# KiCad board PingDevKit-copy.kicad_pcb (continued)
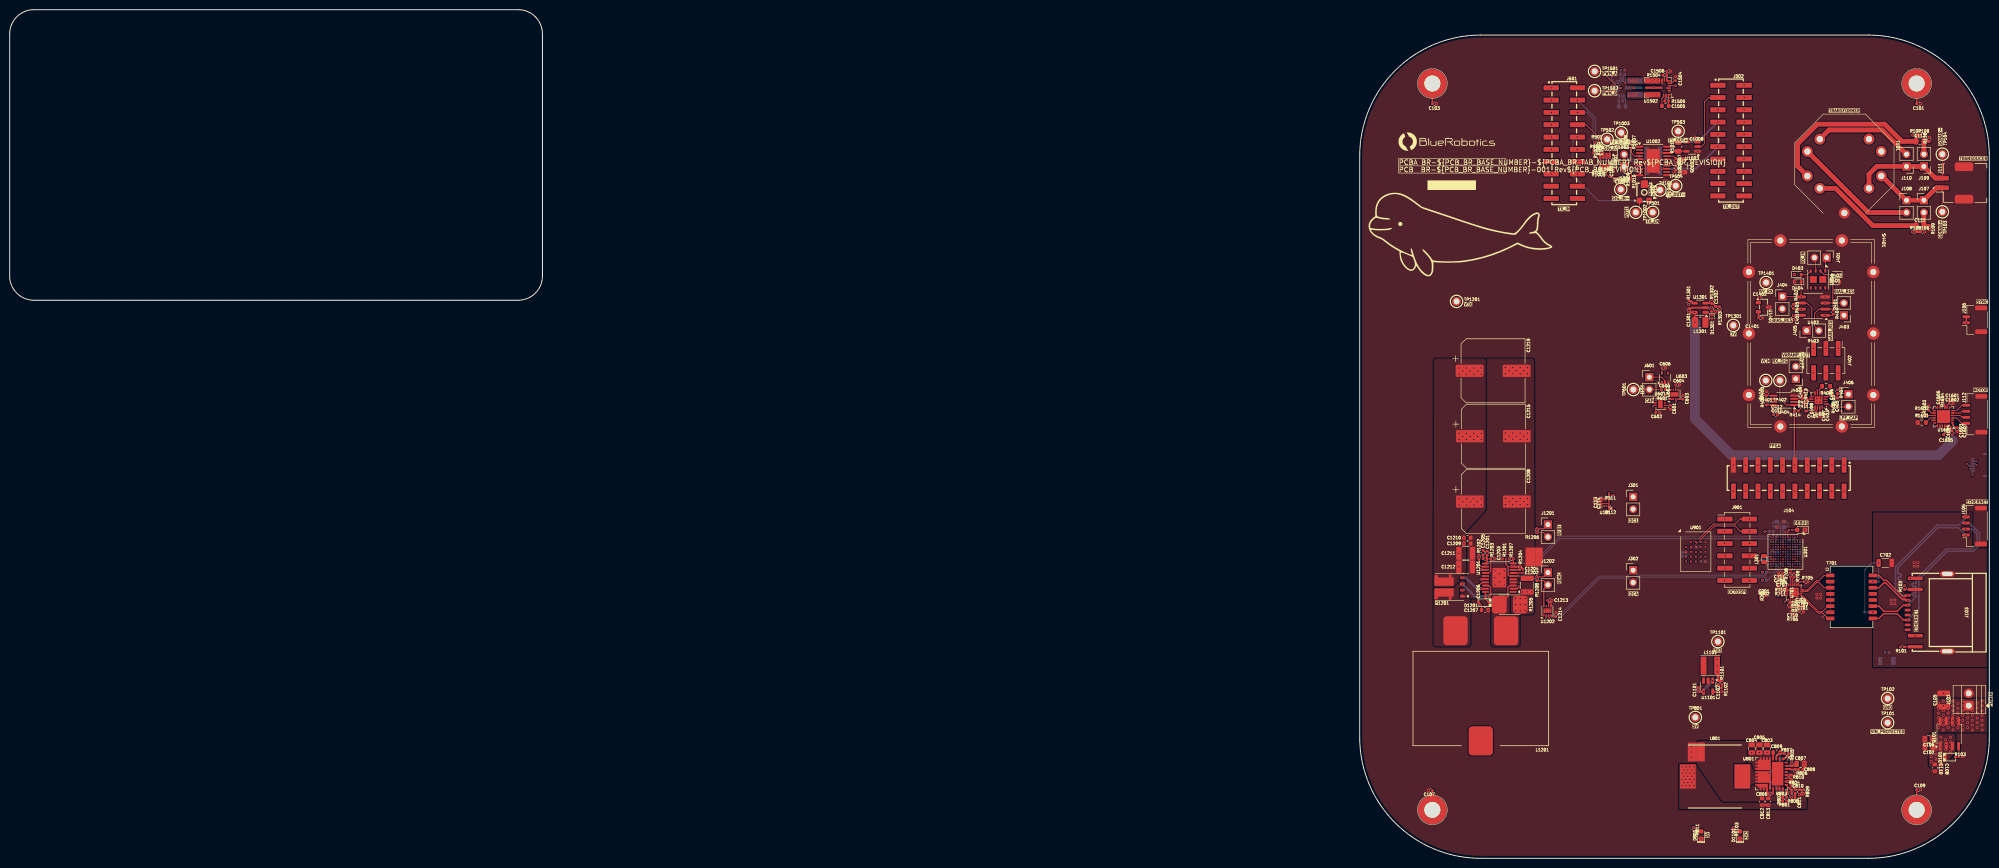
[diagram p0: board, top side]
## Library data of the parts (continued)
H101-H104 = -: Description: M3_Clearance_Plated; ki_fp_filters: *NTC* *Thermistor* PIN?ARRAY* bornier* *Terminal?Block* R_*
J101 = -: Datasheet: https://www.lcsc.com/datasheet/C474920.pdf; Description: 1x2P 8A 130V 2.54mm Screw Terminal Through Hole; Manufacturer: Cixi Kefa Elec; Manufacturer Part Num: KF128-2.54-2P; BRE Number: BRE-001271; JLCPCB Part Num: C474920; ki_fp_filters: TerminalBlock*:*
J102 = -: Datasheet: https://www.te.com/usa-en/product-2328702-6.datasheet.pdf; Description: FPC Connector, Vertical, 0.5mm pitch, 6-pos; Manufacturer: TE Connectivity AMP Connectors; Manufacturer Part Num: 2328702-6; BRE Number: BRE-000078; Supplier 1: DigiKey; Supplier Part Num 1: A141388CT-ND; Supplier 2: Mouser; Supplier Part Num 2: 571-2328702-6; Supplier 3: JLCPCB; Supplier Part Num 3: C3151647; Label: LABEL; JLCPCB Part Num: C3151647; ki_fp_filters: Connector*:*_1x??_*
J103 = -: Datasheet: https://www.lcsc.com/datasheet/lcsc_datasheet_2007281106_RCH-RC01812_C708645.pdf; Description: RJ45 Receptacle Connector, Low-Profile, with LEDs, No Magnetics SMD+PTH; Manufacturer: RCH; Manufacturer Part Num: RC01812; Supplier 1: Digikey; Supplier 2: Mouser; Supplier 3: JLCPCB; Supplier Part Num 3: C708645; BRE Number: BRE-000071
J104 J501 J502 = -: Datasheet: https://www.lcsc.com/datasheet/lcsc_datasheet_2411220452_INCP-IPCP254M20PB28S_C22438450.pdf; Description: Header Pin Connector 02x10 2.54mm_VERT_SMD; Manufacturer: INCP; Manufacturer Part Num: IPCP254M20PB28S; BRE Number: BRE-001120; JLCPCB Part Num: C6332235; ki_fp_filters: Connector*:*_2x??_*
J105 J112 = -: Datasheet: https://www.jst-mfg.com/product/pdf/eng/eGH.pdf; Description: JST-GH Connector 4-pos, P=1.25mm, 1A 50V 30mΩ, 26-30awg, Horizontal; Manufacturer: JST; Manufacturer Part Num: SM04B-GHS-TB; BRE Number: BRE-000102; Supplier 1: DigiKey; Supplier Part Num 1: 455-1566-1-ND; Supplier 3: JLCPCB; Supplier Part Num 3: C189895; Supplier 2: DigiKey; Supplier Part Num 2: 455-1566-2-ND; JLCPCB Part Num: C189895; ki_fp_filters: Connector*:*_1x??_*
J106 = -: Datasheet: https://www.jst-mfg.com/product/pdf/eng/eGH.pdf; Description: JST-GH Connector 2-pos, P=1.25mm, 1A 50V 30mΩ, 26-30awg, Horizontal; Manufacturer: JST; Manufacturer Part Num: SM02B-GHS-TB; BRE Number: BRE-000100; Supplier 1: DigiKey; Supplier Part Num 1: 455-1564-1-ND; Supplier 3: JLCPCB; Supplier Part Num 3: C189893; Supplier 2: DigiKey; Supplier Part Num 2: 455-1564-2-ND; JLCPCB Part Num: C189893; ki_fp_filters: Connector*:*_1x??_*
J107-J110 J301 J302 J401 J407 = -: Datasheet: https://lcsc.com/datasheet/lcsc_datasheet_2409302300_XFCN-PZ254V-11-02P_C492401.pdf; Description: Header Pin 2P 01x02P 2.54mm Pitch Vertical Through Hole 3A; Manufacturer: XFCN; Manufacturer Part Num: PZ254V-11-02P; BRE Number: BRE-001259; JLCPCB Part Num: C492401; ki_fp_filters: Connector*:*_1x??_*
J111 = -: Datasheet: https://www.jst-mfg.com/product/pdf/eng/ePA-F.pdf; Description: JST-PA Connector 2-pos, P=2mm, 3A 250V 10mΩ, 22-28awg, Horizontal; Manufacturer: JST; Manufacturer Part Num: SM02B-PASS-TBT; BRE Number: BRE-000105; Supplier 1: DigiKey; Supplier Part Num 1: 455-SM02B-PASS-TBTCT-ND; Supplier 3: JLCPCB; Supplier Part Num 3: C265417; Supplier 2: Mouser; Supplier Part Num 2: 306-SM02BPASSTBTLFSN; JLCPCB Part Num: C265417
J402 = -: Datasheet: https://jlcpcb.com/api/file/downloadByFileSystemAccessId/8603063697761841152; Description: Header Pin Connector 02x03 2.54mm (0.100") Vertical SMD; Manufacturer: INCP; Manufacturer Part Num: IPCP254M06PB28S; BRE Number: BRE-001285; Supplier 1: DigiKey; Supplier 2: Mouser; Supplier 3: JLCPCB; Supplier Part Num 3: C22438447; JLCPCB Part Num: C22438447
J403-J406 J601 J1001 J1201 J1202 = -: Datasheet: https://lcsc.com/datasheet/lcsc_datasheet_2409302203_XFCN-MF254V-11-02-0743_C2889984.pdf; Description: Header Socket 01x02 2.54mm Vertical PTH; Manufacturer: XFCN; Manufacturer Part Num: MF254V-11-02-0743; BRE Number: BRE-001260; JLCPCB Part Num: C2889984; ki_fp_filters: Connector*:*_1x??_*
J901 = -: Datasheet: https://jlcpcb.com/api/file/downloadByFileSystemAccessId/8589837965481979904; Description: Header Pin Connector 02x06 2.54mm Vertical SMD; Manufacturer: HCTL; Manufacturer Part Num: PZ254-2-06-S; BRE Number: BRE-001275; Supplier 1: DigiKey; Supplier 2: Mouser; Supplier 3: JLCPCB; Supplier Part Num 3: C3294464; JLCPCB Part Num: C3294464
L301 = -: Datasheet: https://www.lcsc.com/datasheet/lcsc_datasheet_2504101957_Linepri-LMSC20120652R2MTA_C46527037.pdf; Description: 2.2uH 20% 2.2Asat  2.4Adc 100mR Molded Power Inductor SMT 0805; Manufacturer: Linepri; Manufacturer Part Num: LMSC20120652R2MTA; BRE Number: BRE-001165; ki_fp_filters: Choke_* *Coil* Inductor_* L_*
L801 = -: Datasheet: https://jlcpcb.com/api/file/downloadByFileSystemAccessId/8590906446731567104; Description: 10uH 20% 10A 20.7mR  Shielded Molded Inductor SMT 13.5x12.6x6.3mm; Manufacturer: XR; Manufacturer Part Num: XR1265-100M; BRE Number: BRE-001232; JLCPCB Part Num: C5339467; ki_fp_filters: Choke_* *Coil* Inductor_* L_*
L1101 = -: Datasheet: https://mm.digikey.com/Volume0/opasdata/d220001/medias/docus/664/NRS4018T2R2MDGJV_SS.pdf; Description: 2.2µH 20% 2.2A 50.4mR Shielded Wirewound Inductor SMT 4x4x1.8mm; Manufacturer: Taiyo Yuden; Manufacturer Part Num: NRS4018T2R2MDGJV; Supplier 1: DigiKey; Supplier 2: DigiKey; Supplier 3: JLCPCB; Supplier Part Num 1: 587-3577-1-ND; Supplier Part Num 2: 587-3577-2-ND; Supplier Part Num 3: C2041550; BRE Number: BRE-000227; ki_fp_filters: Choke_* *Coil* Inductor_* L_*
L1201 = -: Datasheet: https://jlcpcb.com/api/file/downloadByFileSystemAccessId/8589838704283328512; Description: 10uH 20% 30A 2.6mR Flat Wire Inductor SMT 28x27.9x18mm; Manufacturer: FANGCHENG; Manufacturer Part Num: FC-SE2918-100M-28A; Supplier 1: DigiKey; Supplier Part Num 1: 118-SRP1050WA-220MTR-ND; Supplier 2: Mouser; Supplier Part Num 2: 652-SRP1050WA-220M; Supplier 3: JLCPCB; Supplier Part Num 3: C19947668; BRE Number: BRE-001279; JLCPCB Part Num: C3037600
L1301 = -: Datasheet: https://mm.digikey.com/Volume0/opasdata/d220001/medias/docus/5561/AWP%20Series.pdf; Description: 4.7uH 20% 1.6A 175mR Shielded Molded Inductor SMT 1008 package; Manufacturer: TAI-TECH Advanced Electronics Co., Ltd.; Manufacturer Part Num: AWP 252012FW-4R7M; BRE Number: BRE-000220; JLCPCB Part Num: C17225812; Supplier 1: DigiKey; Supplier Part Num 1: 4816-AWP252012FW-4R7MCT-ND; Supplier 2: DigiKey; Supplier Part Num 2: 4816-AWP252012FW-4R7MTR-ND; Supplier 3: JLCPCB; Supplier Part Num 3: C17225812; ki_fp_filters: Choke_* *Coil* Inductor_* L_*
NT801 NT1201 = -: Description: Net Tie
NT1101 NT1501 NT1601 = -: Description: Net Tie; ki_fp_filters: R_*
PCB101 = -: Description: An item representing the bare board in the PCBA; Manufacturer: Blue Robotics; Manufacturer Part Num: BR-103907-001-RevA
Q101 = -: Datasheet: https://www.diodes.com/assets/Datasheets/DMP6023LSS.pdf; Description: P-Ch MOSFET 60 V 6.6A (Ta) 1.2W (Ta) 25mR Logic Level SO-8; Manufacturer: Diodes Incorporated; Supplier 1: DigiKey; Supplier Part Num 1: DMP6023LSS-13DICT-ND; Supplier 2: Mouser; Supplier Part Num 2: 621-DMP6023LSS-13; Supplier 3: JLCPCB; Supplier Part Num 3: C154911; BRE Number: BRE-000414
Q1201 = -: Datasheet: https://www.vishay.com/docs/78092/sqj974ep.pdf; Description: 2N-Ch Power MOSFET Array 100V 30A (Tc) 48W (Tc) 32.5mR Logic Level PowerPAK SO-8; Manufacturer: Vishay Siliconix; Manufacturer Part Num: SQJ974EP-T1_GE3; Supplier 1: DigiKey; Supplier Part Num 1: SQJ974EP-T1_GE3CT-ND; Supplier 2: Mouser; Supplier Part Num 2: 78-SQJ974EP-T1_GE3; Supplier 3: JLCPCB; Supplier Part Num 3: C727845; BRE Number: BRE-000406
R101 R102 = -: Datasheet: https://www.yageo.com/upload/media/product/app/datasheet/rchip/pyu-rc_group_51_rohs_l.pdf; Description: 1k 1% 100ppm 62.5mW Thick Film Resistor 0402; Manufacturer: YAGEO; Manufacturer Part Num: RC0402FR-071KL; BRE Number: BRE-000311; Supplier 1: DigiKey; Supplier Part Num 1: 311-1.00KLRCT-ND; Supplier 2: DigiKey; Supplier Part Num 2: 311-1.00KLRTR-ND; Supplier 3: JLCPCB; Supplier Part Num 3: C106235; ki_fp_filters: R_*
R103 R201 = -: Datasheet: https://www.lcsc.com/datasheet/lcsc_datasheet_2304140030_YAGEO-RC0201FR-0747KL_C138139.pdf; Description: 47k 1% 200ppm 50mW Thick Film Resistor 0201; Manufacturer: YAGEO; Manufacturer Part Num: RC0201FR-0747KL; Supplier 1: DigiKey; Supplier Part Num 1: 311-47KMCT-ND; Supplier 2: Mouser; Supplier Part Num 2: 603-RC0201FR-0747KL; Supplier 3: JLCPCB; Supplier Part Num 3: C138139; BRE Number: BRE-000278; ki_fp_filters: R_*
R104 R111 R112 R302 R1102 = -: Datasheet: https://www.yageo.com/upload/media/product/products/datasheet/rchip/PYu-RC_Group_51_RoHS_L_12.pdf; Description: 10k 1% 200ppm 50mW Thick Film Resistor 0201; Manufacturer: YAGEO; Manufacturer Part Num: RC0201FR-0710KL; Supplier 1: DigiKey; Supplier Part Num 1: 311-10.0KMCT-ND; Supplier 2: Mouser; Supplier Part Num 2: 603-RC0201FR-0710KL; Supplier 3: JLCPCB; Supplier Part Num 3: C106225; BRE Number: BRE-000261; ki_fp_filters: R_*
R105-R110 R601 R803 = -: Datasheet: https://www.yageo.com/upload/media/product/productsearch/datasheet/rchip/PYu-RC_Group_51_RoHS_L_12.pdf; Description: 100k 1% 100ppm 62.5mW Thick Film Resistor 0402; Manufacturer: YAGEO; Manufacturer Part Num: RC0402FR-07100KL; BRE Number: BRE-000290; Supplier 1: DigiKey; Supplier Part Num 1: 311-100KLRCT-ND; Supplier 2: DigiKey; Supplier Part Num 2: 311-100KLRTR-ND; Supplier 3: JLCPCB; Supplier Part Num 3: C60491; JLCPCB Part Num: C60491; ki_fp_filters: R_*
R202 R303 = -: Datasheet: https://www.lcsc.com/datasheet/lcsc_datasheet_2304140030_YAGEO-RC0201FR-073KL_C142016.pdf; Description: 3k 1% 200ppm 50mW Chip Resistor 0201; Manufacturer: YAGEO; Manufacturer Part Num: RC0201FR-073KL; Supplier 1: DigiKey; Supplier Part Num 1: YAG2656CT-ND; Supplier 2: Mouser; Supplier Part Num 2: 603-RC0201FR-073KL; Supplier 3: JLCPCB; Supplier Part Num 3: C142016; BRE Number: BRE-000275; ki_fp_filters: R_*
R301 = -: Datasheet: https://www.yageo.com/upload/media/product/productsearch/datasheet/rchip/PYu-AC_51_RoHS_L_10.pdf; Description: 10R 1% 200ppm 62.5mW Thick Film Resistor 0402; Manufacturer: YAGEO; Manufacturer Part Num: AC0402FR-0710RL; Supplier 1: DigiKey; Supplier Part Num 1: YAG3438CT-ND; Supplier 2: Mouser; Supplier Part Num 2: 603-AC0402FR-0710RL; Supplier 3: JLCPCB; Supplier Part Num 3: C144805; BRE Number: BRE-000291; ki_fp_filters: R_*
R304 R305 R802 R1207 R1604 = -: Datasheet: https://www.yageo.com/upload/media/product/productsearch/datasheet/rchip/PYu-AC_51_RoHS_L_10.pdf; Description: 10k 1% 100ppm 62.5mW Thick Film Resistor 0402; Manufacturer: YAGEO; Manufacturer Part Num: AC0402FR-0710KL; BRE Number: BRE-000292; Supplier 1: DigiKey; Supplier Part Num 1: YAG3436CT-ND; Supplier 2: DigiKey; Supplier Part Num 2: YAG3436TR-ND; Supplier 3: JLCPCB; Supplier Part Num 3: C144807; JLCPCB Part Num: C144807; ki_fp_filters: R_*
R401-R403 = -: Datasheet: https://www.lcsc.com/datasheet/lcsc_datasheet_2411221126_UNI-ROYAL-Uniroyal-Elec-0201WMF1000TEE_C270366.pdf; Description: 100R 1% 200ppm 50mW Thick Film Resistor 0201; Manufacturer: UNI-ROYAL; Manufacturer Part Num: 0201WMF1000TEE; BRE Number: BRE-001045; JLCPCB Part Num: C270366; ki_fp_filters: R_*
R404 R405 = -: Datasheet: https://www.yageo.com/upload/media/product/productsearch/datasheet/rchip/PYu-RC_Group_51_RoHS_L_12.pdf; Description: 470R 1% 100ppm 62.5mW Thick Film Resistor 0402; Manufacturer: YAGEO; Manufacturer Part Num: RC0402FR-07470RL; BRE Number: BRE-000342; Supplier 1: DigiKey; Supplier Part Num 1: 311-470LRCT-ND; Supplier 2: DigiKey; Supplier Part Num 2: 311-470LRTR-ND; Supplier 3: JLCPCB; Supplier Part Num 3: C114877; JLCPCB Part Num: C114877; ki_fp_filters: R_*
R406 R407 R703 R704 = -: Datasheet: https://www.yageo.com/upload/media/product/productsearch/datasheet/rchip/PYu-RC_Group_51_RoHS_L_12.pdf; Description: 75R 1% 100ppm 62.5mW Thick Film Resistor 0402; Manufacturer: YAGEO; Manufacturer Part Num: RC0402FR-0775RL; BRE Number: BRE-000369; Supplier 1: DigiKey; Supplier Part Num 1: 311-75.0LRCT-ND; Supplier 2: DigiKey; Supplier Part Num 2: 311-75.0LRTR-ND; Supplier 3: JLCPCB; Supplier Part Num 3: C114757; JLCPCB Part Num: C114757; ki_fp_filters: R_*
R408 = -: Datasheet: https://www.koaspeer.com/pdfs/TLRZ.pdf; Description: 0 Ohms Jumper Chip Resistor 0603 (1608 Metric) Automotive AEC-Q200, Current Sense Metal Element; Manufacturer: KOA Speer Electronics, Inc.; Manufacturer Part Num: TLRZ1JTTD; BRE Number: BRE-001148; Supplier 1: JLCPCB; Supplier Part Num 1: C782253; Supplier 2: DigiKey; Supplier Part Num 2: 2019-TLRZ1JTTDTR-ND; Supplier 3: JLCPCB; Supplier Part Num 3: C203078; JLCPCB Part Num: C782253; Package: 0603
R409-R412 = -: Datasheet: https://www.yageo.com/upload/media/product/app/datasheet/rchip/pyu-rc_group_51_rohs_l.pdf; Description: 1k 1% 100ppm 62.5mW Thick Film Resistor 0402; Manufacturer: YAGEO; Manufacturer Part Num: RC0402FR-071KL; BRE Number: BRE-000311; Supplier 1: DigiKey; Supplier Part Num 1: 311-1.00KLRCT-ND; Supplier 2: DigiKey; Supplier Part Num 2: 311-1.00KLRTR-ND; Supplier 3: JLCPCB; Supplier Part Num 3: C106235; JLCPCB Part Num: C106235; ki_fp_filters: R_*
R413 R414 R502 = -: Datasheet: https://www.yageo.com/upload/media/product/app/datasheet/rchip/pyu-rc_group_51_rohs_l.pdf; Description: 2k 1% 100ppm 62.5mW Thick Film Resistor 0402; Manufacturer: YAGEO; Manufacturer Part Num: RC0402FR-072KL; BRE Number: BRE-000324; Supplier 1: DigiKey; Supplier Part Num 1: 311-2KLRCT-ND; Supplier 2: DigiKey; Supplier Part Num 2: 311-2KLRTR-ND; Supplier 3: JLCPCB; Supplier Part Num 3: C60488; JLCPCB Part Num: C60488; ki_fp_filters: R_*
R501 = -: Datasheet: https://jlcpcb.com/api/file/downloadByFileSystemAccessId/8589040499327963136; Description: 20k 1% 200ppm 50mW Thick Film Resistor 0201; Manufacturer: YAGEO; Manufacturer Part Num: RC0201FR-0720KL; BRE Number: BRE-001172; JLCPCB Part Num: C295787
R701 R702 R708-R711 = -: Datasheet: https://www.yageo.com/upload/media/product/productsearch/datasheet/rchip/PYu-RC_Group_51_RoHS_L_12.pdf; Description: 2.49k 1% 100ppm 62.5mW Thick Film Resistor 0402; Manufacturer: YAGEO; Manufacturer Part Num: RC0402FR-072K49L; BRE Number: BRE-000326; Supplier 1: DigiKey; Supplier Part Num 1: 311-2.49KLRCT-ND; Supplier 2: DigiKey; Supplier Part Num 2: 311-2.49KLRTR-ND; Supplier 3: JLCPCB; Supplier Part Num 3: C145071; JLCPCB Part Num: C145071; ki_fp_filters: R_*
R705 = -: Datasheet: https://www.yageo.com/upload/media/product/products/datasheet/rchip/PYu-RC_Group_51_RoHS_L_12.pdf; Description: 6.49k 1% 100ppm 62.5mW Thick Film Resistor 0402; Manufacturer: YAGEO; Manufacturer Part Num: RC0402FR-076K49L; BRE Number: BRE-000367; Supplier 1: DigiKey; Supplier Part Num 1: 311-6.49KLRCT-ND; Supplier 2: Mouser; Supplier Part Num 2: 603-RC0402FR-076K49L; Supplier 3: JLCPCB; Supplier Part Num 3: C364360; JLCPCB Part Num: C364360
R706 = -: Datasheet: https://www.yageo.com/upload/media/product/productsearch/datasheet/rchip/PYu-RC_Group_51_RoHS_L_12.pdf; Description: 30k 1% 100ppm 62.5mW Thick Film Resistor 0402; Manufacturer: YAGEO; Manufacturer Part Num: RC0402FR-0730KL; BRE Number: BRE-000327; Supplier 1: DigiKey; Supplier Part Num 1: 311-30.0KLRCT-ND; Supplier 2: DigiKey; Supplier Part Num 2: 311-30.0KLRTR-ND; Supplier 3: JLCPCB; Supplier Part Num 3: C138008; JLCPCB Part Num: C138008; ki_fp_filters: R_*
R707 = -: Datasheet: https://www.yageo.com/upload/media/product/productsearch/datasheet/rchip/PYu-AC_51_RoHS_L_10.pdf; Description: 1M 1% 100ppm 62.5mW Thick Film Resistor 0402; Manufacturer: YAGEO; Manufacturer Part Num: AC0402FR-071ML; BRE Number: BRE-000309; Supplier 1: DigiKey; Supplier Part Num 1: YAG3450CT-ND; Supplier 2: Mouser; Supplier Part Num 2: 603-AC0402FR-071ML; Supplier 3: JLCPCB; Supplier Part Num 3: C144787; JLCPCB Part Num: C144787; ki_fp_filters: R_*
R801 = -: Datasheet: https://www.yageo.com/upload/media/product/app/datasheet/rchip/pyu-rc_group_51_rohs_l.pdf; Description: 20k 1% 100ppm 62.5mW Thick Film Resistor 0402; Manufacturer: YAGEO; Manufacturer Part Num: RC0402FR-0720KL; BRE Number: BRE-000317; Supplier 1: DigiKey; Supplier Part Num 1: 311-20.0KLRCT-ND; Supplier 2: DigiKey; Supplier Part Num 2: 311-20.0KLRTR-ND; Supplier 3: JLCPCB; Supplier Part Num 3: C93942; JLCPCB Part Num: C93942; ki_fp_filters: R_*
R804 R1301 = -: Datasheet: https://www.yageo.com/upload/media/product/products/datasheet/rchip/PYu-RC_Group_51_RoHS_L_12.pdf; Description: 51k 1% 100ppm 62.5mW Thick Film Resistor 0402; Manufacturer: YAGEO; Manufacturer Part Num: RC0402FR-0751KL; BRE Number: BRE-001229; Supplier 1: DigiKey; Supplier Part Num 1: 311-51.0KLRCT-ND; Supplier 2: Mouser; Supplier Part Num 2: 603-RC0402FR-0756KL; Supplier 3: JLCPCB; Supplier Part Num 3: C107229; JLCPCB Part Num: C107229; ki_fp_filters: R_*
R805 R806 R1502-R1505 = -: Datasheet: https://jlcpcb.com/api/file/downloadByFileSystemAccessId/8588947077061070848; Description: 2.2R 1% 200ppm 62.5mW Thick Film Resistor 0402; Manufacturer: YAGEO; Manufacturer Part Num: RC0402FR-072R2L; BRE Number: BRE-001225; Supplier 1: DigiKey; Supplier Part Num 1: 311-2.20LRCT-ND; Supplier 2: DigiKey; Supplier Part Num 2: 311-2.20LRCT-ND; Supplier 3: JLCPCB; Supplier Part Num 3: C327251; JLCPCB Part Num: C327251; ki_fp_filters: R_*
R807 = -: Datasheet: https://www.yageo.com/upload/media/product/app/datasheet/rchip/pyu-rc_group_51_rohs_l.pdf; Description: 2.2k 1% 100ppm 62.5mW Thick Film Resistor 0402; Manufacturer: YAGEO; Manufacturer Part Num: RC0402FR-072K2L; BRE Number: BRE-000325; Supplier 1: DigiKey; Supplier Part Num 1: 311-2.20KLRCT-ND; Supplier 2: DigiKey; Supplier Part Num 2: 311-2.20KLRTR-ND; Supplier 3: JLCPCB; Supplier Part Num 3: C114762; JLCPCB Part Num: C114762; ki_fp_filters: R_*
R808 R1208 = -: Datasheet: https://www.yageo.com/upload/media/product/products/datasheet/rchip/PYu-RC_Group_51_RoHS_L_12.pdf; Description: 24.9k 1% 100ppm 62.5mW Thick Film Resistor 0402; Manufacturer: YAGEO; Manufacturer Part Num: RC0402FR-0724K9L; BRE Number: BRE-001239; Supplier 1: DigiKey; Supplier Part Num 1: 311-24.9KLRCT-ND; Supplier 2: DigiKey; Supplier Part Num 2: 311-24.9KLRCT-ND; Supplier 3: JLCPCB; Supplier Part Num 3: C138027; JLCPCB Part Num: C138027; ki_fp_filters: R_*
R809 = -: Datasheet: https://www.yageo.com/upload/media/product/productsearch/datasheet/rchip/PYu-RC_Group_51_RoHS_L_12.pdf; Description: 4.99k 1% 100ppm 62.5mW Thick Film Resistor 0402; Manufacturer: YAGEO; Manufacturer Part Num: RC0402FR-074K99L; BRE Number: BRE-000353; Supplier 1: DigiKey; Supplier Part Num 1: 311-4.99KLRCT-ND; Supplier 2: DigiKey; Supplier Part Num 2: 311-4.99KLRTR-ND; Supplier 3: JLCPCB; Supplier Part Num 3: C137965; JLCPCB Part Num: C137965; ki_fp_filters: R_*
R810 = -: Datasheet: https://www.yageo.com/upload/media/product/products/datasheet/rchip/PYu-RC_Group_51_RoHS_L_12.pdf; Description: 681R 1% 100ppm 62.5mW Thick Film Resistor 0402; Manufacturer: YAGEO; Manufacturer Part Num: RC0402FR-07681RL; BRE Number: BRE-000364; Supplier 1: DigiKey; Supplier Part Num 1: YAG2375CT-ND; Supplier 2: Mouser; Supplier Part Num 2: 603-RC0402FR-07681RL; Supplier 3: JLCPCB; Supplier Part Num 3: C245891; JLCPCB Part Num: C245891
R811 = -: Datasheet: https://www.yageo.com/upload/media/product/app/datasheet/rchip/pyu-rc_group_51_rohs_l.pdf; Description: 3k 1% 100ppm 62.5mW Thick Film Resistor 0402; Manufacturer: YAGEO; Manufacturer Part Num: RC0402FR-073KL; BRE Number: BRE-000337; Supplier 1: DigiKey; Supplier Part Num 1: 311-3KLRCT-ND; Supplier 2: DigiKey; Supplier Part Num 2: 311-3KLRTR-ND; Supplier 3: JLCPCB; Supplier Part Num 3: C137987; JLCPCB Part Num: C137987; ki_fp_filters: R_*
R1001 R1004 = -: Datasheet: https://lcsc.com/datasheet/lcsc_datasheet_2506161040_YAGEO-RC0201FR-071ML_C295786.pdf; Description: 1M 1% 200ppm 50mW Thick Film Resistor 0201; Manufacturer: YAGEO; Manufacturer Part Num: RC0201FR-071ML; BRE Number: BRE-001254; JLCPCB Part Num: C295786; ki_fp_filters: R_*
R1002 R1005 = -: Datasheet: https://lcsc.com/datasheet/lcsc_datasheet_2506161040_YAGEO-RC0201FR-071ML_C295786.pdf; Description: 1M 1% 200ppm 50mW Thick Film Resistor 0201; Manufacturer: YAGEO; Manufacturer Part Num: RC0201FR-071ML; BRE Number: BRE-001254; JLCPCB Part Num: C295786; Supplier 1: DigiKey; Supplier Part Num 1: RC0201DR-07681RL-ND; Supplier 2: Mouser; Supplier Part Num 2: 603-RC0201DR-07681RL; Supplier 3: JLCPCB; Supplier Part Num 3: C851780; ki_fp_filters: R_*
R1003 R1006 = -: Datasheet: https://www.yageo.com/upload/media/product/products/datasheet/rchip/PYu-RC_Group_51_RoHS_L_12.pdf; Description: 10k 1% 200ppm 50mW Thick Film Resistor 0201; Manufacturer: YAGEO; Manufacturer Part Num: RC0201FR-0710KL; BRE Number: BRE-000261; Supplier 1: DigiKey; Supplier Part Num 1: 311-10.0KMCT-ND; Supplier 2: Mouser; Supplier Part Num 2: 603-RC0201FR-0710KL; Supplier 3: JLCPCB; Supplier Part Num 3: C106225; JLCPCB Part Num: C106225; ki_fp_filters: R_*
R1007-R1010 = -: Datasheet: https://www.lcsc.com/datasheet/lcsc_datasheet_2304140030_YAGEO-RC0201FR-07100KL_C106224.pdf; Description: 100k 1% 200ppm 50mW Thick Film Resistor 0201; Manufacturer: YAGEO; Manufacturer Part Num: RC0201FR-07100KL; BRE Number: BRE-001166; Supplier 1: DigiKey; Supplier Part Num 1: 311-10.0KMCT-ND; Supplier 2: Mouser; Supplier Part Num 2: 603-RC0201FR-0710KL; Supplier 3: JLCPCB; Supplier Part Num 3: C106225; JLCPCB Part Num: C106224; ki_fp_filters: R_*
R1011 = -: Datasheet: https://www.yageo.com/upload/media/product/productsearch/datasheet/rchip/PYu-RC_Group_51_RoHS_L_12.pdf; Description: 200R 1% 100ppm 62.5mW Thick Film Resistor 0402; Manufacturer: YAGEO; Manufacturer Part Num: RC0402FR-07200RL; BRE Number: BRE-000314; Supplier 1: DigiKey; Supplier Part Num 1: 311-200LRCT-ND; Supplier 2: DigiKey; Supplier Part Num 2: 311-200LRTR-ND; Supplier 3: JLCPCB; Supplier Part Num 3: C114764; JLCPCB Part Num: C114764; ki_fp_filters: R_*
R1012 = -: Datasheet: https://lcsc.com/datasheet/lcsc_datasheet_2411220546_HDK-Hokuriku-Elec-Industry-VGF39NCHXT-B503_C22461637.pdf; Description: 50k 25% 150mW 1-Turn Potentiometer SMD; Manufacturer: HDK; Manufacturer Part Num: VGF39NCHXT-B503; BRE Number: BRE-001262; JLCPCB Part Num: C22461637; ki_fp_filters: R_*
R1013 R1014 = -: Datasheet: https://lcsc.com/datasheet/lcsc_datasheet_2408150952_FOJAN-FRC1210F1001TS_C2960861.pdf; Description: 1k 1% 100ppm 500mW Thick Film Resistor 1210; Manufacturer: FOJAN; Manufacturer Part Num: FRC1210F1001TS; BRE Number: BRE-001256; JLCPCB Part Num: C2960861; ki_fp_filters: R_*
R1015 = -: Datasheet: https://wmsc.lcsc.com/wmsc/upload/file/pdf/v2/lcsc/2203261130_YAGEO-RL0805FR-7W0R01L_C326784.pdf; Description: 10mR 1% 1500ppm 250mW Thick Film Resistor 0805; Manufacturer: YAGEO; Manufacturer Part Num: RL0805FR-7W0R01L; BRE Number: BRE-001049; Supplier 1: DigiKey; Supplier Part Num 1: 13-PE0805FRE470R009ZCT-ND; Supplier 2: Mouser; Supplier Part Num 2: 603-P0805FRE470R009Z; Supplier 3: JLCPCB; Supplier Part Num 3: C6142798; JLCPCB Part Num: C326784
R1101 = -: Datasheet: https://www.yageo.com/upload/media/product/app/datasheet/rchip/pyu-rc_group_51_rohs_l.pdf; Description: 45.3k 1% 100ppm 62.5mW Thick Film Resistor 0402; Manufacturer: YAGEO; Manufacturer Part Num: RC0402FR-0745K3L; BRE Number: BRE-000341; Supplier 1: DigiKey; Supplier Part Num 1: 311-45.3KLRCT-ND; Supplier 2: DigiKey; Supplier Part Num 2: 311-45.3KLRTR-ND; Supplier 3: JLCPCB; Supplier Part Num 3: C137977; JLCPCB Part Num: C137977; ki_fp_filters: R_*
R1103 = -: Datasheet: https://www.yageo.com/upload/media/product/products/datasheet/rchip/PYu-RC_Group_51_RoHS_L_12.pdf; Description: 1.3k 1% 100ppm 62.5mW Thick Film Resistor 0402; Manufacturer: YAGEO; Manufacturer Part Num: RC0402FR-071K3L; BRE Number: BRE-001251; Supplier 1: DigiKey; Supplier Part Num 1: YAG3036CT-ND; Supplier 2: DigiKey; Supplier Part Num 2: YAG3036CT-ND; Supplier 3: JLCPCB; Supplier Part Num 3: C185455; JLCPCB Part Num: C185455; ki_fp_filters: R_*
R1201 = -: Datasheet: https://www.yageo.com/upload/media/product/products/datasheet/rchip/PYu-RC_Group_51_RoHS_L_12.pdf; Description: 1k 1% 200ppm 50mW Thick Film Resistor 0201; Manufacturer: YAGEO; Manufacturer Part Num: RC0201FR-071KL; BRE Number: BRE-000268; Supplier 1: DigiKey; Supplier Part Num 1: 311-1KMCT-ND; Supplier 2: Mouser; Supplier Part Num 2: 603-RC0201FR-071KL; Supplier 3: JLCPCB; Supplier Part Num 3: C138165; ki_fp_filters: R_*
R1202 = -: Datasheet: https://www.yageo.com/upload/media/product/productsearch/datasheet/rchip/PYu-RC_Group_51_RoHS_L_12.pdf; Description: 68.1k 1% 100ppm 62.5mW Thick Film Resistor 0402; Manufacturer: YAGEO; Manufacturer Part Num: RC0402FR-0768K1L; Supplier 1: DigiKey; Supplier Part Num 1: YAG3213CT-ND; Supplier 2: DigiKey; Supplier Part Num 2: YAG3213TR-ND; Supplier 3: JLCPCB; Supplier Part Num 3: C276276; BRE Number: BRE-000365; JLCPCB Part Num: C276276; ki_fp_filters: R_*
R1203 = -: Datasheet: https://www.yageo.com/upload/media/product/app/datasheet/rchip/pyu-rc_group_51_rohs_l.pdf; Description: 2.2k 1% 100ppm 62.5mW Thick Film Resistor 0402; Manufacturer: YAGEO; Manufacturer Part Num: RC0402FR-072K2L; Supplier 1: DigiKey; Supplier Part Num 1: 311-2.20KLRCT-ND; Supplier 2: DigiKey; Supplier Part Num 2: 311-2.20KLRTR-ND; Supplier 3: JLCPCB; Supplier Part Num 3: C114762; BRE Number: BRE-000325; ki_fp_filters: R_*